# Altium PCB GameBoard_V1I1_Phase1.PcbDoc (part 8 of 18)
Units mm, origin at the board's own origin, x right, y up, seen from the top; angles counter-clockwise.
Board outline 182 x 70.2 mm, 12 copper layers (L1, L2, L3, L4, L5 (PWR), L6 (PWR), L7 (PWR), L8 (PWR), L9, L10, L11, L12), stack 2.079 mm thick; 1542 components, 1068 nets, 5447 pads, 3805 vias.
Unrouted connection lines stored in the file: 2.
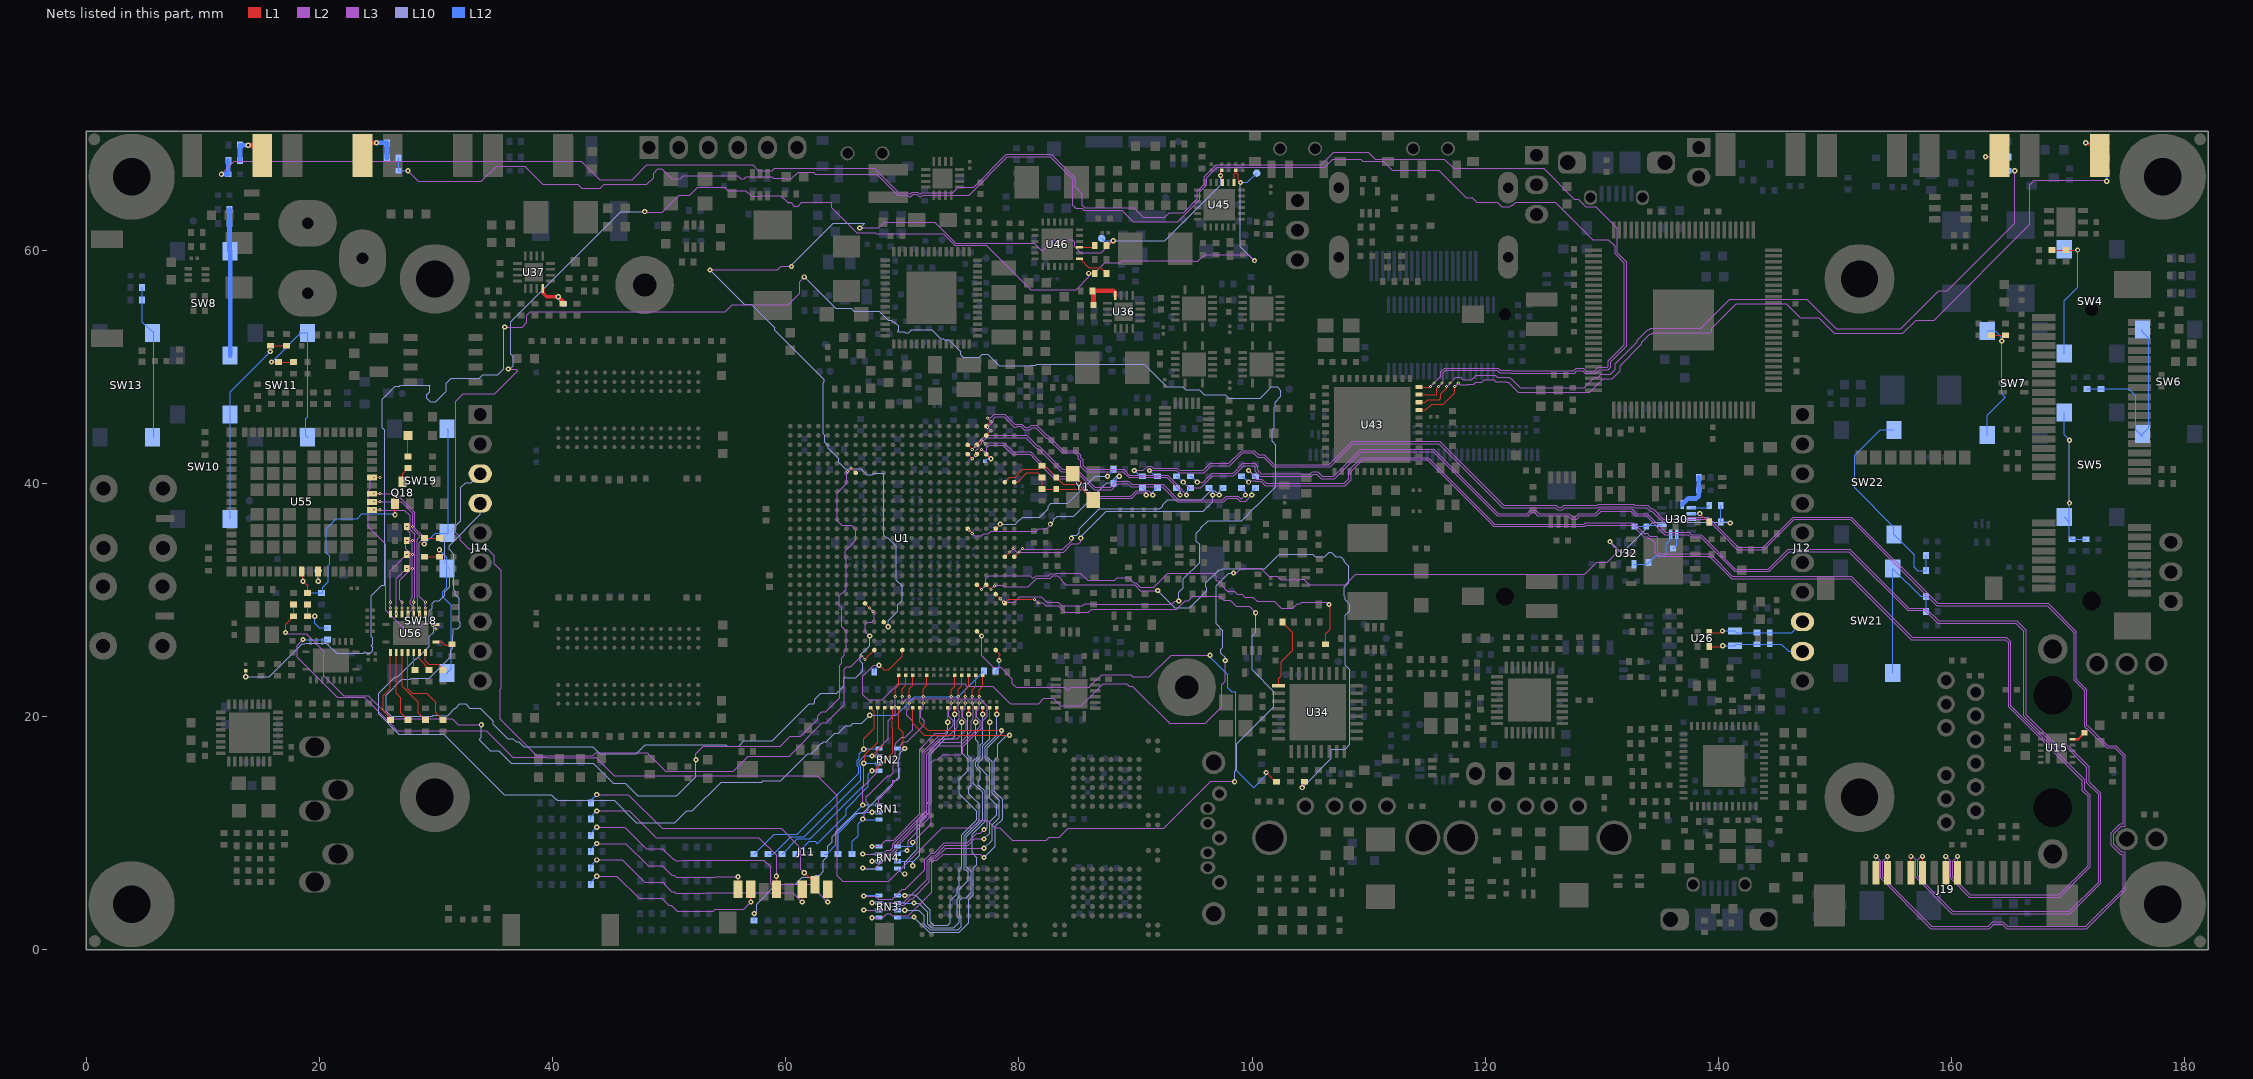
[diagram p18: the nets of this part, all layers, seen from the top]

## Via types
v1: diameter 0.45, hole 0.2, L1 to L12, 1937 vias
v2: diameter 0.45, hole 0.2, L1 to L12, tented both sides, 1004 vias
v3: diameter 0.27, hole 0.1, L1 to L2, 337 vias
v4: diameter 0.27, hole 0.1, L2 to L3, 335 vias
v5: diameter 0.27, hole 0.1, L10 to L11, 96 vias
v6: diameter 0.27, hole 0.1, L11 to L12, 94 vias
v7: diameter 0.27, hole 0.1, L3 to L5 (PWR), 2 vias

## Nets (pads, with @x,y where several pads share a name; then routed paths per layer and width w, separated by ;. In a path a pad name is that pad's centre, name@x,y a point inside that pad or via, vN(x,y) a via of type N, cw(c..) or ccw(c..) an arc to the next point about the centre after c; other vN are vias at no path point) (continued)
BOOT_CFG_08: R634.1 R650.2 RN1.3 | length 20.6
  L1 w0.1: v3(71.8,21.7) 71.8,22.4 72.1,22.7 R650.2@72.1,23.535
  L3 w0.1: v2(67.4,11.782) 67.582,11.782 68,12.2 68,12.9 69.2,14.1 69.2,14.525 69.562,14.525 69.797,14.759 69.797,15.572 69.625,15.744 69.625,16.22 69.797,16.392 69.797,16.731 69.825,16.759 69.825,17.551 70.099,17.825 70.2,17.825 ; 70.204,17.821 70.208,17.825 70.421,17.825 70.996,18.4 71,18.4 71.875,19.275 71.875,19.655 71.6,19.93 71.6,20.5 71.8,20.7 v4(71.8,21.165)
  L2 w0.1: v4(71.8,21.165) v3(71.8,21.7)
  L12 w0.1: R634.1@64.5,8.2 64.5,10 66.23,11.73 66.6,11.73 66.652,11.782 v2(67.4,11.782) RN1.3@68,11.782
BOOT_CFG_09: R635.1 R651.2 RN2.3 | length 17.9
  L1 w0.1: v2(66.7,16) 66.8,16.1 66.8,16.7 67.9,17.8 67.9,20.135 R651.2@67.9,20.735
  L12 w0.1: R635.1@59.7,8.2 61,9.5 62.1,9.5 66.7,14.1 v2(66.7,16) 66.718,15.982 RN2.3@68,15.982
BOOT_CFG_10: R636.1 R652.2 RN2.4 | length 18.7
  L1 w0.1: v2(67.4,16.618) 67.418,16.618 68.4,17.6 68.4,20.635 R652.2@68.5,20.735
  L12 w0.1: R636.1@58.5,8.2 58.938,8.2 60.438,9.7 61.6,9.7 66.452,14.552 66.452,15.718 66.325,15.845 66.325,16.155 66.525,16.355 66.525,16.425 66.718,16.618 v2(67.4,16.618) RN2.4@68,16.618
BOOT_CFG_11: R637.1 R653.2 RN2.7 | length 26.4
  L1 w0.1: R653.2@69.7,20.735 69.7,19 70.1,18.6 70.1,17.352 v2(70.2,17.252)
  L10 w0.1: v2(57.3,3.1) 57.5,3.3 57.5,3.9 59.2,5.6 60.834,5.6 61.434,6.2 62.369,6.2 62.569,6.4 62.9,6.4 63.225,6.725 63.225,7.625 63.6,8 63.6,8.87 63.975,9.245 63.975,9.675 66,11.7 66.6,11.7 68.225,13.325 68.225,13.338 68.562,13.675 68.575,13.675 69.7,14.8 69.7,16.366 69.79,16.456 69.79,16.841 v2(70.2,17.252)
  L12 w0.1: R637.1@57.3,2.5 v2(57.3,3.1) ; RN2.7@69.6,17.252 v2(70.2,17.252)
BOOT_CFG_12: R638.1 R654.2 RN1.2 | length 19.9
  L1 w0.1: v3(70.6,21.7) 70.6,22.4 70.9,22.7 R654.2@70.9,23.535
  L3 w0.1: v2(66.6,11.2) 66.744,11.344 66.744,11.656 67.1,12.012 67.1,12.5 66.9,12.7 66.9,13.2 67.018,13.2 68.743,14.925 68.955,14.925 69.225,15.195 69.225,16.386 69.397,16.558 69.397,17.545 69.425,17.573 69.425,17.717 69.939,18.231 69.945,18.225 70.255,18.225 70.9,18.87 70.9,19.6 70.4,20.1 70.4,20.5 70.6,20.7 v4(70.6,21.165)
  L2 w0.1: v4(70.6,21.165) v3(70.6,21.7)
  L12 w0.1: R638.1@65.7,8.2 65.7,9.286 66.2,9.786 66.2,10.8 v2(66.6,11.2) 66.652,11.148 RN1.2@68,11.148
BOOT_CFG_13: R639.1 R655.2 RN2.2 | length 17.5
  L1 w0.1: v2(67.4,15.348) 67.648,15.348 69.2,16.9 69.2,18.97 69.125,19.045 69.125,19.655 69.2,19.73 69.2,20.635 R655.2@69.1,20.735
  L12 w0.1: R639.1@60.9,8.2 62,9.3 62.52,9.3 62.72,9.1 65.2,11.58 65.2,12.1 67.1,14 67.1,15.048 v2(67.4,15.348) RN2.2@68,15.348
BOOT_CFG_14: R640.1 R656.2 RN2.5 | length 19.5
  L1 w0.1: v2(66.7,17.2) 66.7,18.1 67.6,19 67.6,20.4 67.3,20.7 R656.2@67.3,20.735
  L12 w0.1: R640.1@57.3,8.2 59,9.9 61,9.9 66.252,15.152 66.252,15.635 66.125,15.762 66.125,16.238 66.325,16.438 66.325,16.825 v2(66.7,17.2) 66.752,17.252 RN2.5@68,17.252
BOOT_CFG_15: R641.1 R657.2 RN1.4 | length 19.5
  L1 w0.1: v3(69.4,21.7) 69.4,22.4 69.7,22.7 R657.2@69.7,23.535
  L3 w0.1: v2(66.6,12.4) 66.6,13.9 66.7,14 66.7,14.035 67.865,15.2 67.865,17.165 68.8,18.1 68.8,19.65 69.4,20.25 v4(69.4,20.8)
  L2 w0.1: v4(69.4,20.8) v3(69.4,21.7)
  L12 w0.1: R641.1@63.3,8.2 63.5,8.2 64.3,9 64.3,10.1 v2(66.6,12.4) 66.618,12.418 RN1.4@68,12.418
BOOT_CFG_16: R658.2 RN4.5 | length 19.7
  L1 w0.1: v3(74.2,21.7) 74.2,22.283 74.5,22.583 R658.2@74.5,23.535
  L3 w0.1: v2(67.4,8.852) 68.052,8.852 68.6,9.4 69.251,9.4 71.5,11.649 71.5,17.2 72.845,18.545 73.645,18.545 74.35,19.25 74.35,19.65 74,20 74,20.5 74.2,20.7 v4(74.2,21.165)
  L2 w0.1: v4(74.2,21.165) v3(74.2,21.7)
  L12 w0.1: v2(67.4,8.852) RN4.5@68,8.852
BOOT_CFG_17: R661.2 RN4.4 | length 22
  L1 w0.1: v3(74.8,21.7) 74.8,22.317 75.1,22.617 R661.2@75.1,23.535
  L3 w0.1: v2(66.6,8.2) 68.334,8.2 68.659,8.525 68.955,8.525 69.175,8.745 69.175,9.041 71.7,11.566 71.7,16.934 73.111,18.345 74,18.345 74.725,19.07 74.725,19.655 74.875,19.805 74.875,20.425 74.8,20.5 v4(74.8,21.165)
  L2 w0.1: v4(74.8,21.165) v3(74.8,21.7)
  L12 w0.1: v2(66.6,8.2) 67.382,8.2 67.4,8.218 RN4.4@68,8.218
BOOT_CFG_18: R660.2 RN3.9 | length 27.5
  L1 w0.1: v2(76.3,19.5) R660.2@76.3,20.735
  L10 w0.1: v2(70.2,3.382) 70.218,3.4 71.4,3.4 71.9,2.9 71.9,2.183 72.383,1.7 74.801,1.7 75.075,1.974 75.075,2.738 74.926,2.887 74.926,3.943 ; 74.925,3.943 74.925,4.255 75.145,4.475 75.475,4.475 75.9,4.9 75.9,6.713 75.538,7.075 75.5,7.075 75.5,9.683 76.9,11.083 76.9,13.487 76.1,14.287 76.1,16.2 76.5,16.6 76.5,17.8 76.3,18 v2(76.3,19.5)
  L12 w0.1: RN3.9@69.6,3.382 v2(70.2,3.382)
BOOT_CFG_19: R659.2 RN4.3 | length 21.7
  L1 w0.1: v3(75.4,21.7) 75.4,22.351 75.7,22.651 75.7,23.202 R659.2@75.7,23.535
  L3 w0.1: v2(67.4,7.582) 67.999,7.582 68.742,8.325 69.038,8.325 69.375,8.662 69.375,8.958 71.9,11.483 71.9,16.851 73.149,18.1 74.7,18.1 75.475,18.875 75.475,19.655 75.2,19.93 75.2,20.5 75.4,20.7 v4(75.4,21.165)
  L2 w0.1: v4(75.4,21.165) v3(75.4,21.7)
  L12 w0.1: v2(67.4,7.582) RN4.3@68,7.582
BOOT_CFG_20: R662.2 RN3.10 | length 27
  L1 w0.1: v2(76.9,20.2) R662.2@76.9,20.735
  L10 w0.1: v2(71,2.8) 72.3,1.5 74.884,1.5 75.7,2.316 75.7,4.3 76.1,4.7 76.1,7 76.4,7.3 76.4,7.9 76,8.3 76,9.9 77.1,11 77.1,13.57 76.525,14.145 76.525,14.455 76.687,14.617 76.687,15.3 76.3,15.687 76.3,16.117 76.7,16.517 76.7,16.683 76.7,17.566 76.9,17.766 v2(76.9,20.2)
  L12 w0.1: RN3.10@69.6,2.748 70.948,2.748 v2(71,2.8)
BOOT_CFG_21: R663.2 RN3.7 | length 26.8
  L1 w0.1: v2(75.1,19.5) R663.2@75.1,20.735
  L10 w0.1: v2(70.2,4.652) 70.248,4.7 71.1,4.7 72.4,3.4 72.4,2.4 72.7,2.1 73.9,2.1 74.1,2.3 74.1,4.2 74.7,4.8 74.7,5.283 74.8,5.383 74.8,5.395 74.875,5.47 74.875,6.875 75.1,7.1 75.1,9.849 76.4,11.149 76.4,11.87 74.9,13.37 74.9,14.6 75.675,15.375 75.675,16.325 75.1,16.9 v2(75.1,19.5)
  L12 w0.1: RN3.7@69.6,4.652 v2(70.2,4.652)
BOOT_CFG_22: R664.2 RN4.8 | length 20
  L1 w0.1: v3(76.6,21.7) 76.6,22.3 76.9,22.6 R664.2@76.9,23.535
  L3 w0.1: v2(70.4,8.5) 70.525,8.625 70.525,9.355 71.25,10.08 71.25,10.25 72.3,11.3 72.3,16.686 73.114,17.5 75,17.5 76.675,19.175 76.675,19.655 76.4,19.93 76.4,20.5 76.6,20.7 v4(76.6,21.165)
  L2 w0.1: v4(76.6,21.165) v3(76.6,21.7)
  L12 w0.1: RN4.8@69.6,8.218 69.882,8.5 v2(70.4,8.5)
BOOT_CFG_23: R665.2 RN4.10 | length 16.1
  L1 w0.1: v2(73.9,19.5) R665.2@73.9,20.735
  L10 w0.1: 70.2,6.948 70.2,7.5 71.3,8.6 71.3,11.1 72.1,11.9 72.1,12.534 72.3,12.734 72.3,16.886 72.325,16.911 72.325,16.938 72.5,17.113 72.5,17.2 73.9,18.6 v2(73.9,19.5)
  L12 w0.1: RN4.10@69.6,6.948 70.048,6.5 v2(70.2,6.5)
BOOT_CFG_24: R666.2 RN4.2 | length 24
  L1 w0.1: v3(76,21.7) 76,22.3 76.3,22.6 R666.2@76.3,23.5
  L3 w0.1: v2(66.6,7) 66.652,6.948 67.648,6.948 68.825,8.125 69.121,8.125 69.575,8.579 69.575,8.875 72.1,11.4 72.1,16.769 73.131,17.8 75,17.8 75.925,18.725 75.925,19.655 76.075,19.805 76.075,21.09 v4(76,21.165)
  L2 w0.1: v4(76,21.165) v3(76,21.7)
  L12 w0.1: v2(66.6,7) 66.652,6.948 RN4.2@68,6.948
BOOT_CFG_25: R667.2 RN4.7 | length 27.2
  L1 w0.1: v3(70,21.7) 70,22.4 70.3,22.7 R667.2@70.3,23.535
  L3 w0.1: v4(70,21.165) 70.335,21.5 76.689,21.5 77.3,20.889 77.3,20 76.875,19.575 76.875,19.092 75.2,17.417 75.2,16.9 75.025,16.725 73.455,16.725 73.005,16.275 72.745,16.275 72.5,16.03 72.5,10.8 v2(70.9,9.2)
  L2 w0.1: v4(70,21.165) v3(70,21.7)
  L12 w0.1: RN4.7@69.6,8.852 69.623,8.875 70.555,8.875 70.578,8.852 70.848,8.852 70.9,8.904 v2(70.9,9.2)
BOOT_CFG_26: R668.2 RN3.8 | length 27.2
  L1 w0.1: v2(75.7,20.2) R668.2@75.7,20.735
  L10 w0.1: v2(71,4) 71.4,4 72.2,3.2 72.2,2.166 72.466,1.9 74.43,1.9 74.875,2.345 74.875,2.655 74.726,2.804 74.726,3.808 74.7,3.834 74.7,4 74.725,4.025 74.725,4.338 74.9,4.513 74.9,5.2 75.675,5.975 75.675,6.655 75.455,6.875 75.3,6.875 75.3,9.766 76.6,11.066 76.6,12.5 75.975,13.125 75.945,13.125 75.7,13.37 75.7,13.9 75.9,14.1 75.9,16.4 75.625,16.675 75.625,20.125 v2(75.7,20.2)
  L12 w0.1: RN3.8@69.6,4.018 70.2,4.018 70.218,4 v2(71,4)
BOOT_CFG_27: R669.2 RN3.3 | length 35.3
  L1 w0.1: R669.2@71.5,20.735 71.5,19.5 72.2,18.8 v2(78.5,18.8)
  L3 w0.1: v2(66.7,3.4) 68.8,3.4 69.106,3.706 69.784,3.706 69.896,3.818 70.179,3.818 70.736,4.375 70.875,4.375 72.325,5.825 72.325,7.538 72.662,7.875 72.887,7.875 73.712,8.7 v2(77,8.7)
  L10 w0.1: v2(77,8.7) 77.7,9.4 77.7,10.7 78.3,11.3 78.3,12.8 77.7,13.4 77.7,16.1 77.3,16.5 77.3,17.317 78.7,18.717 78.5,18.917 v2(78.5,18.8)
  L12 w0.1: v2(66.7,3.4) 66.718,3.382 RN3.3@68,3.382
BOOT_CFG_28: R670.2 RN4.9 | length 17.2
  L1 w0.1: v2(74.5,20.2) R670.2@74.5,20.735
  L10 w0.1: v2(70.9,7.2) 70.9,7.5 71.511,8.111 71.511,10.761 71.534,10.785 71.534,11 72.3,11.766 72.3,12.451 72.5,12.651 72.5,16.803 72.525,16.828 72.525,16.855 72.7,17.03 72.7,17.1 73.7,18.1 74.3,18.1 74.5,18.3 v2(74.5,20.2)
  L12 w0.1: RN4.9@69.6,7.582 70.982,7.582 70.9,7.5 v2(70.9,7.2)
BOOT_CFG_29: R671.2 RN3.2 | length 36.5
  L1 w0.1: R671.2@70.9,20.735 70.9,19.4 71.9,18.4 v2(79.2,18.4)
  L3 w0.1: v2(67.4,2.748) 68.318,2.748 68.645,3.075 68.955,3.075 69.13,2.9 70.5,2.9 72.525,4.925 72.525,7.455 72.745,7.675 72.969,7.675 73.494,8.2 76.7,8.2 v2(77,7.9)
  L10 w0.1: v2(77,7.9) 77.975,8.875 77.975,10.575 78.6,11.2 78.6,12.9 77.9,13.6 77.9,16.2 78.2,16.5 78.2,17.6 79.1,18.5 v2(79.2,18.4)
  L12 w0.1: v2(67.4,2.748) RN3.2@68,2.748
BOOT_CFG_30: R672.2 RN3.4 | length 25.9
  L1 w0.1: v2(78.1,20.2) R672.2@78.1,20.735
  L3 w0.1: v2(67.4,4.018) 70.096,4.018 72.125,6.047 72.125,7.621 72.579,8.075 72.804,8.075 73.683,8.954 75.637,8.954 76.183,9.5 v2(77,9.5)
  L10 w0.1: v2(77,9.5) 77.5,10 77.5,10.993 78.1,11.593 78.1,12.4 77.5,13 77.5,16.017 77.1,16.417 77.1,17.4 78.1,18.4 v2(78.1,20.2)
  L12 w0.1: v2(67.4,4.018) RN3.4@68,4.018
BOOT_CFG_31: R673.2 RN3.5 | length 26.1
  L1 w0.1: v2(77.5,19.5) R673.2@77.5,20.735
  L3 w0.1: v2(66.7,4.6) 67.7,4.6 67.975,4.325 69.125,4.325 70,5.2 70.249,5.2 71.925,6.876 71.925,7.704 72.496,8.275 72.721,8.275 73.6,9.154 75.554,9.154 76.4,10 76.7,10 v1(77,10.3)
  L10 w0.1: v1(77,10.3) 77.1,10.3 77.3,10.5 77.3,14.97 76.5,15.77 76.5,16.034 76.9,16.434 76.9,16.6 76.9,17.483 77.5,18.083 v2(77.5,19.5)
  L12 w0.1: v2(66.7,4.6) 66.752,4.652 RN3.5@68,4.652
BOOT_CLK: J11.5 R618.2 R619.2 | length 20.8
  L1 w0.093: J11.5@59.215,5.175 v2@59.215,6.3
  L3 w0.093: v1(43.8,11.9) 46.586,11.9 48.886,9.6 57.7,9.6 59.215,8.085 v2@59.215,6.3
  L12 w0.093: R618.2@43.3,11.2 43.3,11.4 v1(43.8,11.9)
  other v2: 59.2,6.3
BOOT_CMD: J11.3 R616.2 R617.2 | length 21.2
  L1 w0.093: v2(61.415,4.085) J11.3@61.415,5.175
  L3 w0.093: v1(43.8,7.7) 46,7.7 47.9,5.8 49.495,5.8 49.629,5.667 49.629,5.563 50.227,4.965 50.434,4.965 50.57,4.828 53.054,4.828 53.125,4.9 60.6,4.9 v2(61.415,4.085)
  L12 w0.093: R616.2@43.3,7 43.3,7.2 v1(43.8,7.7)
BOOT_DATA0: J11.7 R221.2 R229.2 | length 16.8
  L1 w0.093: v2(57.015,4.085) J11.7@57.015,5.175
  L3 w0.093: v1(43.8,6.3) 45.527,6.3 47.427,4.4 49.395,4.4 49.628,4.167 49.628,4.163 49.963,3.829 50.171,3.829 50.7,3.3 53.775,3.3 53.946,3.472 56.402,3.472 v2(57.015,4.085)
  L12 w0.093: R221.2@43.3,5.6 43.3,5.8 v1(43.8,6.3)
BOOT_DATA1: J11.8 R230.2 R559.2 | length 15.3
  L1 w0.093: J11.8@55.915,5.175 v2(55.915,6.265)
  L3 w0.093: v1(43.8,9.1) 46.3,9.1 48.2,7.2 49.395,7.2 49.629,6.967 49.629,6.963 50.227,6.364 50.434,6.364 50.598,6.2 53.875,6.2 53.946,6.272 55.909,6.272 v2(55.915,6.265)
  L12 w0.093: R230.2@43.3,8.4 43.3,8.6 v1(43.8,9.1)
BOOT_DATA2: J11.1 R560.2 R561.2 | length 25.3
  L1 w0.093: v2(63.615,4.085) J11.1@63.615,5.175
  L3 w0.093: v1(43.8,10.5) 46.2,10.5 48.036,8.664 49.436,8.664 49.628,8.472 49.628,8.463 49.963,8.128 49.972,8.128 50.336,7.765 50.434,7.765 50.57,7.629 51.054,7.629 51.113,7.687 58.113,7.687 58.7,7.1 58.7,5.7 58.8,5.6 62.1,5.6 v2(63.615,4.085)
  L12 w0.093: R560.2@43.3,9.8 43.3,10 v1(43.8,10.5)
BOOT_DATA3: J11.2 R580.2 R615.2 | length 23.9
  L1 w0.093: v2(61.6,6.6) 62.515,5.685 J11.2@62.515,5.575
  L3 w0.093: v1(43.8,13.3) 46.5,13.3 49.4,10.4 59.6,10.4 61.3,8.7 61.3,6.9 v2(61.6,6.6)
  L12 w0.093: R580.2@43.3,12.6 43.3,12.8 v1(43.8,13.3)
BOOT_MODE0: R82.1 R86.2 U1.C12 | length 12.4
  L1 w0.1: U1.C12@78,36.1 v1(78.4,36.5)
  L10 w0.1: v1(78.4,36.5) 79.67,36.5 80.045,36.875 80.126,36.875 80.319,37.068 81.768,37.068 82.5,37.8 82.5,38.03 82.745,38.275 84.204,38.275 86.529,40.6 v1(87.6,40.6)
  L12 w0.1: v1(87.6,40.6) 88.1,41.1 R86.2@88.1,41.2
BOOT_MODE1: R81.1 R85.2 U1.F12 | length 17.4
  L1 w0.1: U1.F12@75.6,36.1 v3(76,35.7)
  L3 w0.1: v4(75.7,36) 76.182,35.518 76.815,35.518 76.982,35.685 77.385,35.685 77.6,35.9 81.487,35.9 81.687,36.1 82.4,36.1 82.8,36.5 v2(82.7,36.5)
  L10 w0.1: v2@82.8,36.5 v2(82.7,36.5) 83,36.8 83,36.9 83.275,37.175 84.692,37.175 87.549,40.032 87.835,40.032 88.403,40.6 v1(88.6,40.6)
  L2 w0.1: v4(75.7,36) v3(76,35.7)
  L12 w0.1: R81.1@88.1,40 88.1,40.1 v1(88.6,40.6)
BT_AUD_CLK: U55.60 U56.1 | length 19.5
  L1 w0.1: U55.60@24.525,40.5 v3(25.2,40.5) ; v3(30,27.5) U56.1@30,27.9
  L3 w0.1: v4(24.7,40.5) 24.525,40.5 24.375,40.35 24.375,39.562 24.2,39.387 24.2,36.266 25.7,34.766 25.7,29.1 27.5,27.3 28.3,27.3 28.625,27.625 28.625,27.655 28.97,28 29.5,28 v4(29.7,27.8)
  L2 w0.1: v4(24.7,40.5) v3(25.2,40.5) ; v4(29.7,27.8) v3(30,27.5)
BT_AUD_FSYNC: U55.58 U56.3 | length 14.6
  L1 w0.1: U55.58@24.525,39.1 25.175,39.1 v3(25.2,39.125) ; U56.3@29.1,28.8 v3(29.1,29.3)
  L3 w0.1: v4@24.7,39.1 26.6,39.1 28.2,37.5 28.2,36.165 28.841,35.524 28.841,35.171 28.585,34.915 28.585,32.251 ; 28.585,32.251 28.585,30.315 v4(29.1,29.8)
  L2 w0.1: v4(24.7,39.125) v3(25.2,39.125) ; v3(29.1,29.3) v4(29.1,29.8)
BT_AUD_IN: U55.56 U56.5 | length 13.1
  L1 w0.1: U55.56@24.525,37.7 25.175,37.7 v3(25.2,37.725) ; U56.5@28.1,28.8 v3(28.1,29.3)
  L3 w0.1: v4@24.7,37.7 27.3,37.7 27.8,37.2 27.8,35.999 28.185,35.614 28.185,32.416 28.185,30.154 28.1,30.069 v4(28.1,29.8)
  L2 w0.1: v4(24.7,37.725) v3(25.2,37.725) ; v3(28.1,29.3) v4(28.1,29.8)
BT_AUD_OUT: U55.57 U56.4 | length 14.9
  L1 w0.1: U55.57@24.525,38.4 25.175,38.4 v3(25.2,38.425) ; v4(28.6,28.8) v3(28.6,29.3)
  L3 w0.1: v4@24.7,38.4 27.017,38.4 28,37.417 28,36.082 28.6,35.482 28.6,35.4 28.385,35.185 28.385,32.333 28.385,30.232 28.425,30.192 28.425,28.975 v4(28.6,28.8)
  L2 w0.1: v4(24.7,38.425) v3(25.2,38.425) ; v4(28.6,28.8) v3(28.6,29.3)
BT_CSPI_RXD: R529.2 U56.16 | length 1.4
  L1 w0.1: U56.16@28.1,25.5 28.1,24.2 R529.2@28.2,24.1
BT_CSPI_TXC: R526.2 U56.20 | length 1.6
  L1 w0.1: U56.20@30,26.4 30.5,26.4 30.8,26.1 31.2,26.1 R526.2@31.4,26.3
BT_CSPI_TXD: R528.2 U56.17 | length 1.7
  L1 w0.1: U56.17@28.6,25.5 28.6,24.9 R528.2@29.4,24.1
BT_CSPI_TXFS: R527.2 U56.18 | length 2.5
  L1 w0.1: U56.18@29.1,25.5 29.1,24.8 29.4,24.5 30.2,24.5 R527.2@30.6,24.1
BT_EN: Q18.1 R548.2 R554.1 R556.1 U55.41 | length 17.8
  L1 w0.1: U55.41@18.5,32.425 18.6,32.325 v1(18.6,31.6) 19,31.2 R548.2@19,30.6 ; Q18.1@26.485,38.252 26.485,37.315 v1(26.5,37.3)
  L12 w0.1: v1(18.6,31.6) 19,31.2 R554.1@19,30.6 R556.1@20.2,30.6 20.275,30.6 20.275,31.075 20.775,31.575 20.775,32.97 20.875,33.07 20.875,33.725 20.575,34.025 20.575,36.105 21.445,36.975 23.245,36.975 23.645,37.375 26.425,37.375 v1(26.5,37.3)
BT_EN_D: Q18.3 R516.2 | length 1.3
  L1 w0.1: Q18.3@27.135,40.151 27.135,40.835 R516.2@27.6,41.3
BT_EN_LED: D54.1 R516.1 | length 1.8
  L1 w0.1: R516.1@27.6,42.3 D54.1@27.6,44.1
BT_EN_R: R548.1 R550.2 R623.2 R624.2 | length 3.5
  L1 w0.1: R548.1@19,29.6 R550.2@19,28.6 v1(19.6,28.6)
  L12 w0.1: v1(19.6,28.6) 19.6,28 20,27.6 R623.2@20.7,27.6
BT_HCI_CTS: R514.1 U56.9 | length 6.7
  L1 w0.1: U56.9@26.1,28.8 v3(26.1,29.3) ; v4(27.5,33.9) v3(28,33.9)
  L3 w0.1: v4(26.1,29.8) 26.1,32.5 v4(27.5,33.9)
  L2 w0.1: v3(26.1,29.3) v4(26.1,29.8) ; v4(27.5,33.9) v3(28,33.9)
BT_HCI_RTS: R512.1 U56.8 | length 6.3
  L1 w0.1: v4(26.6,28.8) v3(26.6,29.3) ; v4(27.5,32.7) v3(28,32.7)
  L3 w0.1: v4(26.6,28.8) 26.6,31.8 v4(27.5,32.7)
  L2 w0.1: v4(26.6,28.8) v3(26.6,29.3) ; v4(27.5,32.7) v3(28,32.7)
BT_HCI_RX: R517.1 U56.6 | length 10
  L1 w0.1: v4(27.5,36.3) v3(28,36.3) ; v4(27.6,28.8) v3(27.6,29.3)
  L3 w0.1: v4(27.5,36.3) 27.5,36.016 27.8,35.716 27.8,34.979 27.985,34.794 27.985,33.699 27.985,30.236 27.9,30.151 27.9,30.003 27.815,29.918 27.815,29.682 27.982,29.515 27.985,29.515 27.985,29.185 v4(27.6,28.8)
  L2 w0.1: v4(27.5,36.3) v3(28,36.3) ; v4(27.6,28.8) v3(27.6,29.3)
BT_HCI_TX: R515.1 U56.7 | length 8
  L1 w0.1: U56.7@27.1,28.8 v3(27.1,29.3) ; v4(27.5,35.1) v3(28,35.1)
  L3 w0.1: v4(27.1,29.8) 26.903,29.997 26.903,31.7 27.785,32.582 27.785,33.782 27.785,34.018 27.4,34.403 27.4,34.862 27.569,35.031 v4(27.5,35.1)
  L2 w0.1: v3(27.1,29.3) v4(27.1,29.8) ; v4(27.5,35.1) v3(28,35.1)
BT_UART_CTS: R531.2 R628.2 U56.12 | length 6.3
  L1 w0.1: R531.2@26.1,19.7 26.1,19.9 25.5,20.5 25.5,21.8 26.1,22.4 U56.12@26.1,25.5
BT_UART_DBG: TP59.1 U55.43 | length 1.7
  L1 w0.1: v1(19.9,31.6) U55.43@19.9,32.425
  L12 w0.1: v1(19.9,31.6) TP59.1@19.9,32.5
BT_UART_RTS: R530.2 R627.2 U56.13 | length 6.2
  L1 w0.1: U56.13@26.6,25.5 26.6,22 27,21.6 27,20.3 R530.2@27.6,19.7
BT_UART_RXD: R220.2 R585.2 U56.14 | length 6.6
  L1 w0.1: U56.14@27.1,25.5 27.1,22.6 28.5,21.2 28.5,20.3 R220.2@29.1,19.7
BT_UART_TXD: R584.2 R586.2 U56.15 | length 7.8
  L1 w0.1: U56.15@27.6,25.5 27.6,22.383 27.983,22 29.2,22 30,21.2 30,20.3 R584.2@30.6,19.7
BTN_OR_USER_LED_4: R287.1 R288.1 U34.1 | length 6.4
  L1 w0.093: U34.1@102.275,22.625 102.275,23.275 102.5,23.5 102.5,24.7 103.5,25.7 103.5,27.2 R287.1@102.6,28.1
BUMP_L1: C407.1 R408.1 U43.19 | length 75.1
  L1 w0.1: U43.19@114.3,46.3 114.9,46.3 115.4,46.8 116.4,46.8 117.385,47.785 v3(117.385,48.3)
  L3 w0.1: v4(117.685,48.6) 117.831,48.454 118.441,48.454 118.487,48.5 119.004,48.5 119.179,48.675 119.696,48.675 119.896,48.875 120.704,48.875 120.879,48.7 121.789,48.7 121.839,48.65 121.984,48.65 122.834,47.8 128.945,47.8 130.095,48.95 130.872,48.95 131.554,49.632 131.554,50.085 133.425,51.956 133.425,52.087 134.113,52.775 134.244,52.775 134.369,52.9 139.3,52.9 139.4,53 139.4,53.283 141.517,55.4 145.8,55.4 147,54.2 148.6,54.2 149.934,52.866 155.817,52.866 156.951,54 158.5,54 166.7,62.2 166.7,65.6 167.1,66 173.2,66 v1(173.3,65.9)
  L2 w0.1: v3(117.385,48.3) v4(117.685,48.6)
  L12 w0.1: v1(173.3,65.9) C407.1@173.3,66.7 R408.1@173.3,67.9
BUMP_L2: C406.1 R411.1 U43.20 | length 67.4
  L1 w0.1: U43.20@114.3,46.95 114.85,46.95 115.05,47.15 116.05,47.15 116.2,47.3 116.2,47.667 116.685,48.152 v3(116.685,48.3)
  L3 w0.1: v4(116.985,48.6) 117.47,49.085 117.886,49.085 118.071,48.9 118.838,48.9 119.213,49.275 120.287,49.275 120.87,49.275 121.045,49.1 121.955,49.1 122.005,49.05 122.15,49.05 123,48.2 128.5,48.2 129.275,48.975 129.275,48.979 129.346,49.05 129.629,49.05 129.929,49.35 130.706,49.35 131.154,49.797 131.154,50.251 133.025,52.122 133.025,52.252 133.948,53.175 134.078,53.175 134.203,53.3 138.475,53.3 140.975,55.8 147.566,55.8 150.1,53.266 155.651,53.266 158.886,56.5 159.6,56.5 165.4,62.3 v1(165.4,66.8)
  L2 w0.1: v3(116.685,48.3) v4(116.985,48.6)
  L12 w0.1: R411.1@164.9,68 164.9,66.9 165,66.8 v1(165.4,66.8)
BUMP_R1: C409.1 R409.1 U43.21 | length 166.3
  L1 w0.1: U43.21@114.3,47.6 115.85,47.6 115.85,48.15 v3(116,48.3)
  L3 w0.1: v1(11.6,66.5) 12.7,67.6 42.47,67.6 44.045,66.025 46.825,66.025 48.1,67.3 57.17,67.3 57.645,66.825 58.845,66.825 59.02,67 67.6,67 69.675,64.925 70.529,64.925 70.67,64.784 70.862,64.975 71.338,64.975 71.53,64.784 71.671,64.925 74.338,64.925 74.675,65.262 74.675,65.283 74.792,65.4 76.125,65.4 78.925,68.2 82.783,68.2 84.825,66.158 84.825,65.441 85.425,64.841 85.425,63.845 85.645,63.625 89.845,63.625 90.645,62.825 92.525,62.825 92.9,63.2 94.117,63.2 95.3,64.383 95.3,65.068 95.9,65.668 95.9,66.283 96.917,67.3 105.917,67.3 107.017,68.4 109.949,68.4 110.549,67.8 116.474,67.8 117.274,67 125,67 127.625,64.375 127.955,64.375 128.605,63.725 129.367,63.725 129.372,63.73 129.47,63.73 131.325,61.875 131.325,59.752 132.125,58.952 132.125,51.788 130.754,50.417 130.754,49.963 130.541,49.75 129.763,49.75 129.463,49.45 128.538,49.45 128.338,49.65 127.862,49.65 127.662,49.45 122.171,49.45 122.121,49.5 121.21,49.5 121.035,49.675 116.592,49.675 116.4,49.483 116.4,48.7 v4(116.3,48.6)
  L2 w0.1: v3(116,48.3) v4(116.3,48.6)
  L12 w0.4: v1(11.6,66.5) C409.1@12.2,66.5 R409.1@12.2,67.7
BUMP_R2: C408.1 R412.1 U43.22 | length 150.3
  L1 w0.1: U43.22@114.3,48.25 115.25,48.25 v3(115.3,48.3)
  L3 w0.1: v1(27.6,66.8) 28.5,65.9 33.9,65.9 35.2,67.2 37.6,67.2 39.169,65.631 42.179,65.631 42.509,65.3 44.1,65.3 44.431,65.631 48.098,65.631 48.668,66.201 48.668,66.599 49.045,66.975 49.355,66.975 50.23,66.1 50.951,66.1 51.226,66.375 55.895,66.375 56.145,66.125 56.455,66.125 56.63,66.3 58.82,66.3 58.945,66.175 59.978,66.175 60.053,66.1 60.487,66.1 61.062,66.675 62.355,66.675 62.53,66.5 67.817,66.5 69.592,64.725 70.446,64.725 70.616,64.555 70.725,64.555 70.945,64.775 71.255,64.775 71.475,64.555 71.584,64.555 71.754,64.725 75.733,64.725 79.008,68 82.7,68 84.625,66.075 84.625,63.845 84.895,63.575 85.412,63.575 85.562,63.425 88.8,63.425 89.8,62.425 93.625,62.425 95.5,64.3 95.5,64.985 96.1,65.585 96.1,66.2 97,67.1 106.234,67.1 106.934,67.8 109.3,67.8 109.5,67.6 111.266,67.6 112,66.866 116.004,66.866 118.37,64.5 118.866,64.5 119.266,64.1 121.031,64.1 121.431,63.7 122.1,63.7 122.26,63.86 122.364,63.86 122.614,64.11 125.99,64.11 129.2,60.9 130.546,60.9 131.125,60.321 131.125,59.67 131.925,58.87 131.925,51.871 130.554,50.499 130.554,50.046 130.458,49.95 129.68,49.95 129.38,49.65 128.621,49.65 128.421,49.85 127.779,49.85 127.579,49.65 122.253,49.65 122.203,49.7 121.293,49.7 121.118,49.875 116.509,49.875 116.2,49.566 116.2,49.2 v4(115.6,48.6)
  L2 w0.1: v3(115.3,48.3) v4(115.6,48.6)
  L12 w0.1: R412.1@26.8,67.9 C408.1@26.8,66.8 v1(27.6,66.8)